# KiCad board current3x3A_Artiq.kicad_pcb
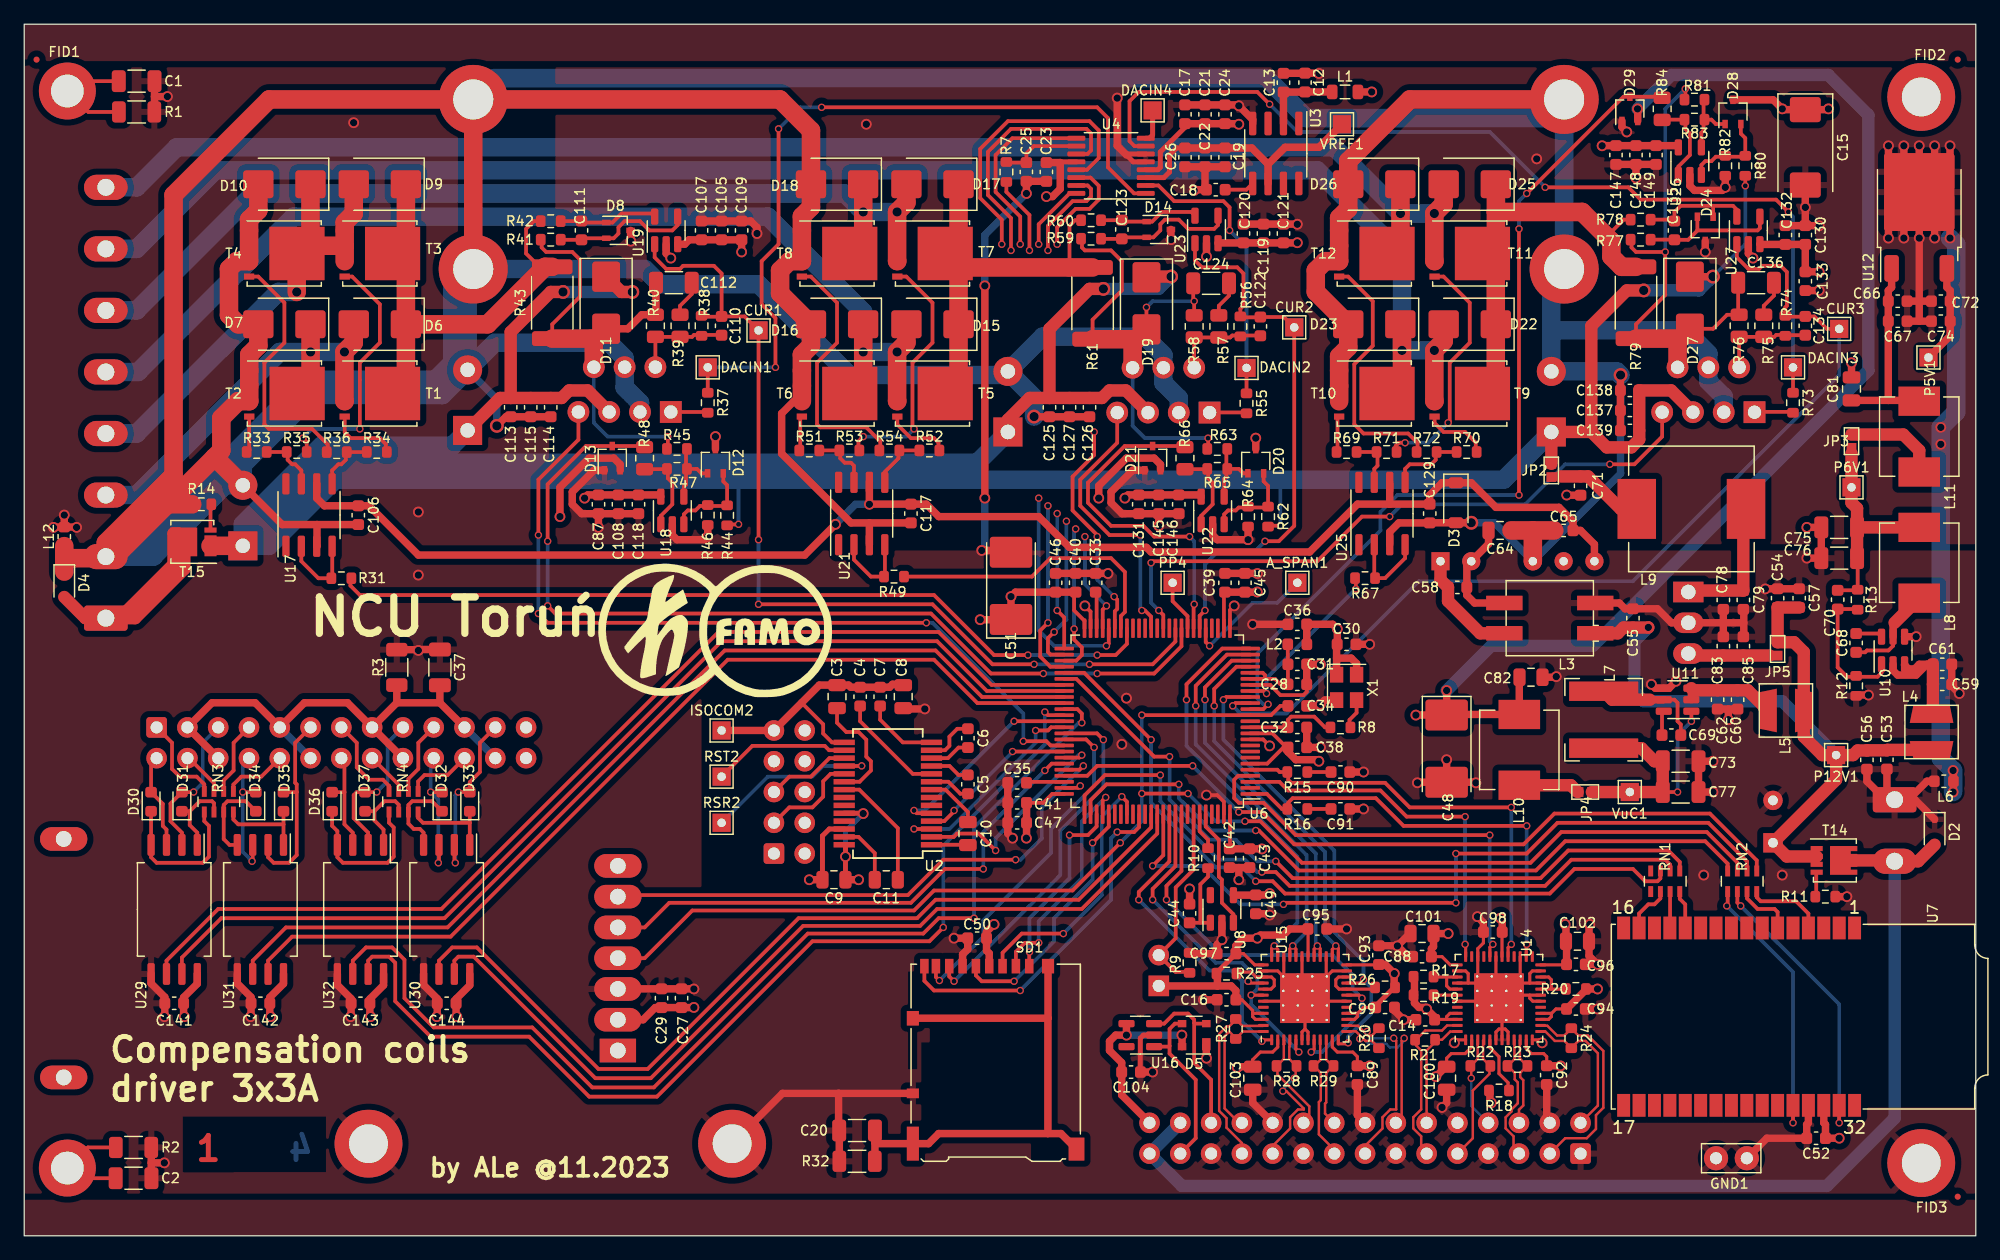
[diagram p0: board, top side]
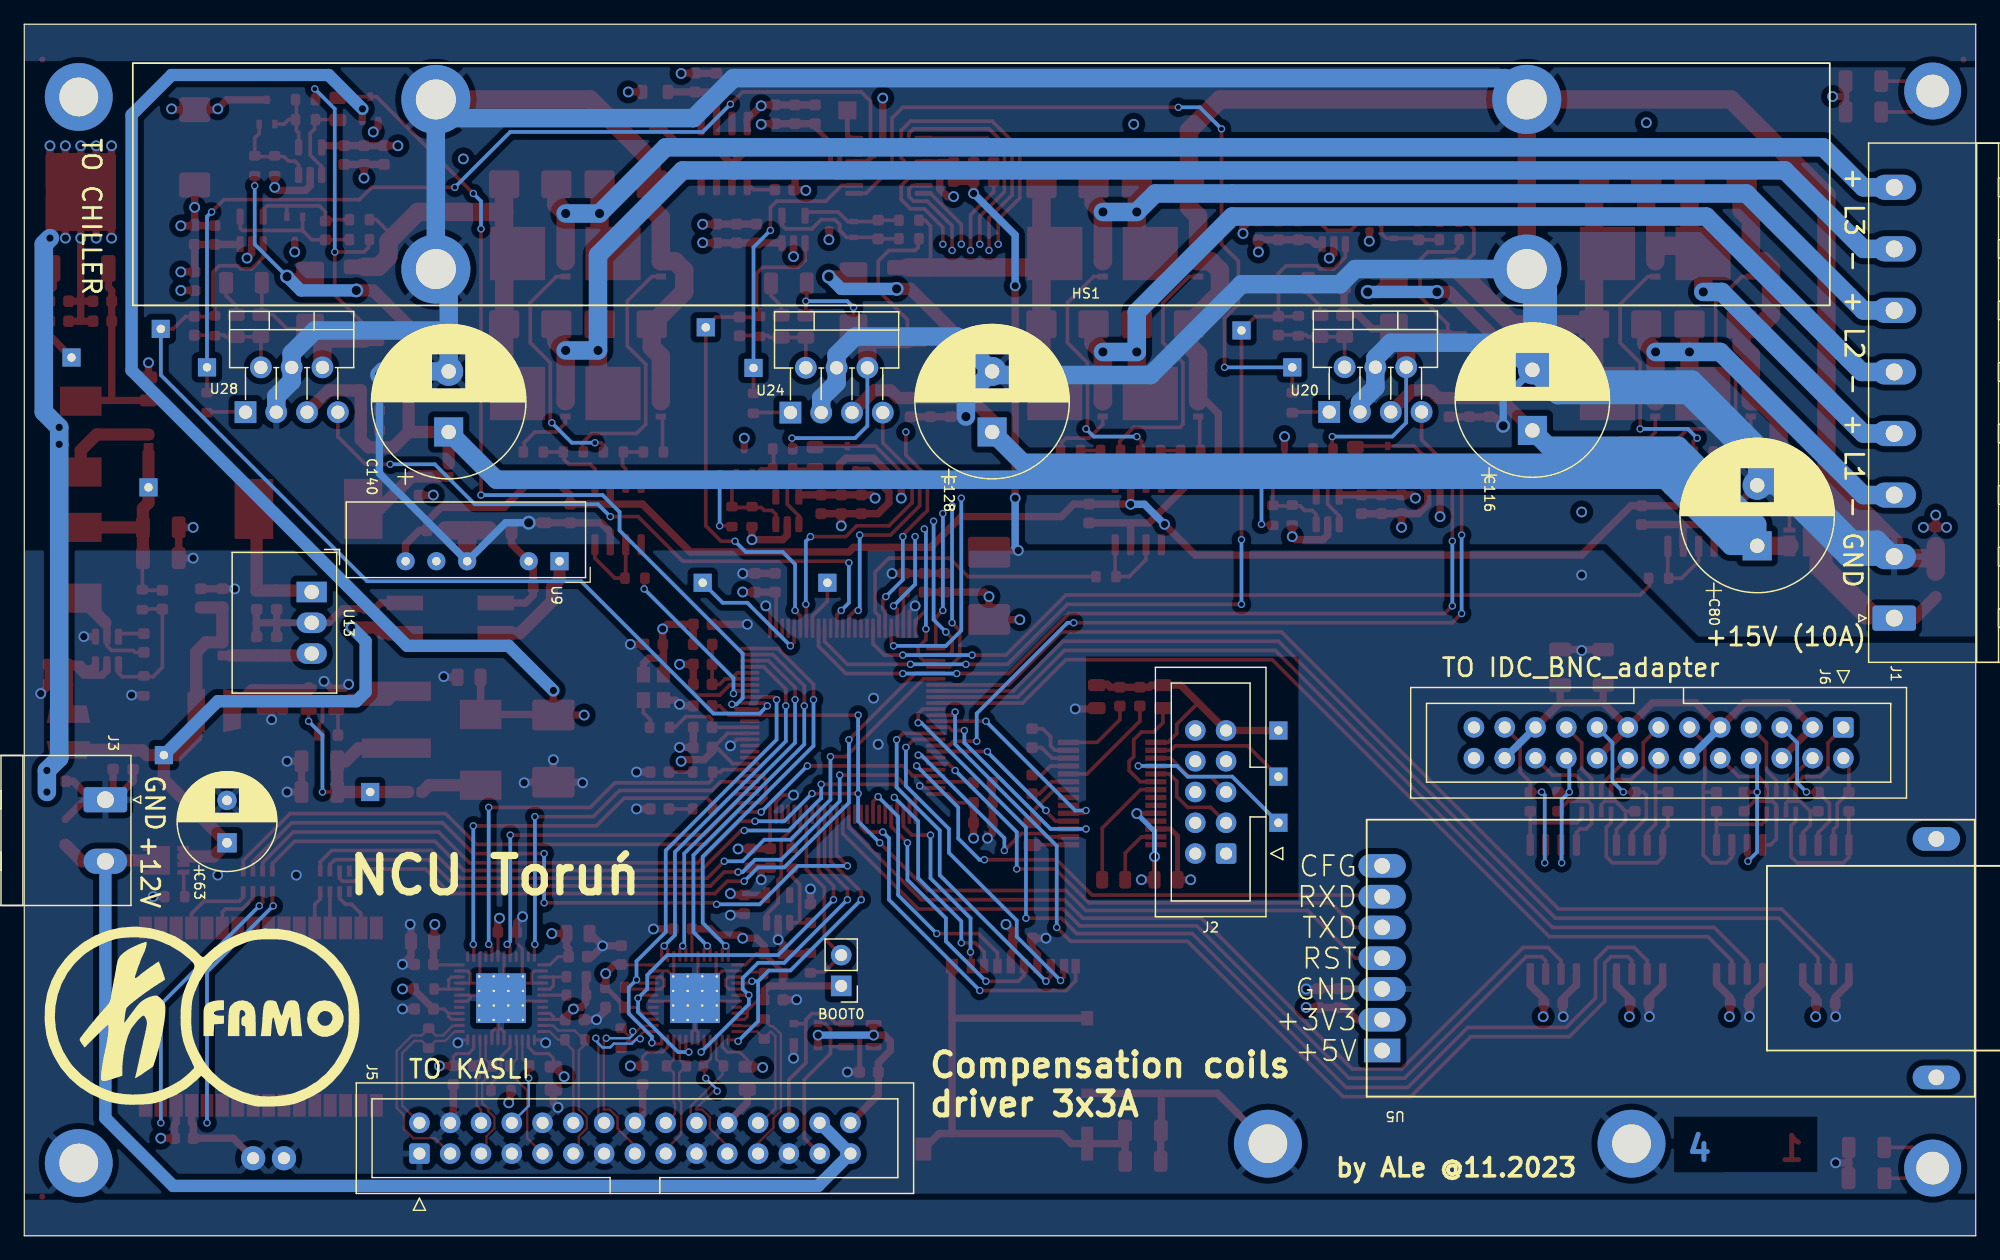
[diagram p1: board, bottom side, seen from below]

Outline 161 x 100 mm; copper layers: Top, In1.Cu, In2.Cu, Bottom. Coordinates in mm from the lower left corner of the outline.
Outline path: 0,100 0,0 161,0 161,100 0,100
Stack: Top 0.035mm / dielectric 0.2mm FR4 er 4.6 / In1.Cu 0.0175mm / dielectric 1.065mm FR4 er 4.4 / In2.Cu 0.0175mm / dielectric 0.2mm FR4 er 4.6 / Bottom 0.035mm

## Placement (name value [footprint] x y rotation side)
A_SPAN1  PAD  [TestPoint_THTPad_1.5x1.5mm_Drill0.7mm]  105.03 53.9 0 top
BOOT0  DNP  [PinHeader_1x02_P2.54mm_Vertical]  93.6 20.62 0 bottom
C1  GCJ31BR73A102KXJ1L  [C_1206_3216Metric]  9.27 95.3 0 top
C2  GCJ31BR73A102KXJ1L  [C_1206_3216Metric]  9.02 4.75 0 top
C3  2,2u 25V X7R  [C_0805_2012Metric]  67.06 44.5 90 top
C4  470n 25V X7R  [C_0603_1608Metric]  68.96 44.5 90 top
C5  100n 50V X7R  [C_0603_1608Metric]  77.85 37.26 90 top
C6  470n 25V X7R  [C_0603_1608Metric]  77.85 41.07 90 top
C7  470n 25V X7R  [C_0603_1608Metric]  70.61 44.5 90 top
C8  10n 100V X7R  [C_0805_2012Metric]  72.52 44.5 270 top
C9  2,2u 25V X7R  [C_0805_2012Metric]  66.8 29.39 180 top
C10  470n 100V X7R  [C_0805_2012Metric]  77.85 33.2 270 top
C11  470n 100V X7R  [C_0805_2012Metric]  71.12 29.39 0 top
C12  10u 25V X5R  [C_0603_1608Metric]  105.66 95.19 90 top
C13  GCM188R71E105KA64J  [C_0603_1608Metric]  103.89 95.17 90 top
C14  100n 50V X7R  [C_0603_1608Metric]  115.58 17.83 180 top
C15  100u 16V  [CP_EIA-7343-31_Kemet-D]  146.94 89.84 270 top
C16  100n 50V X7R  [C_0603_1608Metric]  99.19 19.48 180 top
C17  100p 50V C0G  [C_0603_1608Metric]  95.76 92.57 90 top
C18  1n 50V C0G  [C_0603_1608Metric]  98.3 86.34 0 top
C19  GCM188R71E105KA64J  [C_0603_1608Metric]  99.06 89.01 270 top
C20  GCJ31BR73A102KXJ1L  [C_1206_3216Metric]  68.71 8.69 0 top
C21  100n 50V X7R  [C_0603_1608Metric]  97.41 92.57 90 top
C22  100n 50V X7R  [C_0603_1608Metric]  97.41 89.01 270 top
C23  100n 50V X7R  [C_0603_1608Metric]  84.33 87.81 270 top
C24  10u 25V X5R  [C_0603_1608Metric]  99.06 92.57 90 top
C25  15p 50V C0G  [C_0603_1608Metric]  82.68 87.81 270 top
C26  100p 50V C0G  [C_0603_1608Metric]  95.76 89.01 270 top
C27  4u7 10V X5R  [C_0603_1608Metric]  54.23 19.61 90 top
C28  100n 50V X7R  [C_0603_1608Metric]  105.03 45.52 180 top
C29  100n 50V X7R  [C_0603_1608Metric]  52.58 19.61 90 top
C30  100n 50V X7R  [C_0603_1608Metric]  109.09 48.82 0 top
C31  GCM188R71E105KA64J  [C_0603_1608Metric]  105.03 47.17 0 top
C32  15p 50V C0G  [C_0603_1608Metric]  105.03 41.96 0 top
C33  2u2 10V X7R  [C_0603_1608Metric]  88.39 53.9 270 top
C34  100n 50V X7R  [C_0603_1608Metric]  105.03 43.74 180 top
C35  2u2 10V X7R  [C_0603_1608Metric]  81.92 37.39 0 top
C36  10u 25V X5R  [C_0603_1608Metric]  105.03 50.47 180 top
C37  GCJ31BR73A102KXJ1L  [C_1206_3216Metric]  34.29 46.91 90 top
C38  100n 50V X7R  [C_0603_1608Metric]  105.03 40.31 0 top
C39  100n 50V X7R  [C_0603_1608Metric]  99.06 53.9 90 top
C40  100n 50V X7R  [C_0603_1608Metric]  86.74 53.9 90 top
C41  100n 50V X7R  [C_0603_1608Metric]  81.92 35.74 180 top
C42  100n 50V X7R  [C_0603_1608Metric]  99.44 31.17 270 top
C43  4u7 10V X5R  [C_0603_1608Metric]  101.09 31.17 270 top
C44  15p 50V C0G  [C_0603_1608Metric]  96.14 26.61 90 top
C45  GCM188R71E105KA64J  [C_0603_1608Metric]  100.71 53.9 90 top
C46  GCM188R71E105KA64J  [C_0603_1608Metric]  85.09 53.9 90 top
C47  4u7 10V X5R  [C_0603_1608Metric]  81.92 34.09 180 top
C48  293D107X9010C2TE3  [CP_EIA-7132-28_AVX-C]  117.35 40.21 270 top
C49  100n 50V X7R  [C_0603_1608Metric]  101.6 27.36 270 top
C50  100n 50V X7R  [C_0603_1608Metric]  78.61 24.56 180 top
C51  293D107X9010C2TE3  [CP_EIA-7132-28_AVX-C]  81.41 53.65 90 top
C52  100n 50V X7R  [C_0603_1608Metric]  147.83 8.05 180 top
C53  10u 25V X5R  [C_0603_1608Metric]  153.67 39.29 270 top
C54  10u 25V X5R  [C_0603_1608Metric]  144.65 52.63 90 top
C55  10u 25V X5R  [C_0603_1608Metric]  132.72 50.98 90 top
C56  10u 25V X5R  [C_0603_1608Metric]  152.02 39.28 270 top
C57  10u 25V X5R  [C_0603_1608Metric]  146.43 52.63 90 top
C58  10u 25V X5R  [C_0603_1608Metric]  118.24 53.52 0 top
C59  10u 25V X5R  [C_0603_1608Metric]  158.24 45.52 0 top
C60  10u 25V X5R  [C_0603_1608Metric]  141.35 44.25 270 top
C61  100n 50V X7R  [C_0603_1608Metric]  158.24 47.17 0 top
C62  100n 50V X7R  [C_0603_1608Metric]  139.7 44.25 270 top
C63  100u 25V  [CP_Radial_D8.0mm_P3.50mm]  144.27 32.44 90 bottom
C64  1n 100V C0G  [C_0805_2012Metric]  121.76 58.22 180 top
C65  10u 25V X5R  [C_0603_1608Metric]  127 58.22 180 top
C66  10u 25V X5R  [C_0603_1608Metric]  154.56 75.49 0 top
C67  100n 50V X7R  [C_0603_1608Metric]  154.56 77.14 180 top
C68  100n 50V X7R  [C_0603_1608Metric]  151.13 48.93 90 top
C69  100n 50V X7R  [C_0603_1608Metric]  135.89 41.33 180 top
C70  100p 50V C0G  [C_0603_1608Metric]  149.61 52.5 270 top
C71  10u 25V X5R  [C_0603_1608Metric]  128.4 61.9 270 top
C72  100n 50V X7R  [C_0603_1608Metric]  158.12 77.14 0 top
C73  GRM31CR71A226KE15L  [C_1206_3216Metric]  136.65 39.17 0 top
C74  10u 25V X5R  [C_0603_1608Metric]  158.12 75.49 180 top
C75  GRM31CR71A226KE15L  [C_1206_3216Metric]  149.73 58.47 180 top
C76  GRM31CR71A226KE15L  [C_1206_3216Metric]  149.73 55.93 180 top
C77  GRM31CR71A226KE15L  [C_1206_3216Metric]  136.65 36.63 0 top
C78  10u 25V X5R  [C_0603_1608Metric]  140.18 52.48 270 top
C79  100n 50V X7R  [C_0603_1608Metric]  141.83 52.48 270 top
C80  2200u 25V  [CP_Radial_D12.5mm_P5.00mm]  18.03 56.95 90 bottom
C81  GRM21BR71A106KA73L  [C_0805_2012Metric]  150.75 69.9 90 top
C82  GRM21BR71A106KA73L  [C_0805_2012Metric]  124.31 46.1 0 top
C83  100n 50V X7R  [C_0603_1608Metric]  140.18 48.67 90 top
C85  10u 25V X5R  [C_0603_1608Metric]  141.83 48.67 90 top
C87  GCM188R71E105KA64J  [C_0603_1608Metric]  47.37 60.38 270 top
C88  100n 50V X7R  [C_0603_1608Metric]  115.32 23.04 180 top
C89  100n 50V X7R  [C_0603_1608Metric]  109.98 13.26 270 top
C90  82p 50V C0G  [C_0603_1608Metric]  108.58 38.28 0 top
C91  82p 50V C0G  [C_0603_1608Metric]  108.58 35.23 0 top
C92  100n 50V X7R  [C_0603_1608Metric]  125.6 13.26 270 top
C93  100n 50V X7R  [C_0603_1608Metric]  111.76 23.17 90 top
C94  100n 50V X7R  [C_0603_1608Metric]  128.02 18.72 0 top
C95  100n 50V X7R  [C_0603_1608Metric]  106.68 25.32 0 top
C96  100n 50V X7R  [C_0603_1608Metric]  128.02 22.4 0 top
C97  100n 50V X7R  [C_0603_1608Metric]  99.19 23.29 180 top
C98  100n 50V X7R  [C_0603_1608Metric]  121.16 25.07 180 top
C99  100n 50V X7R  [C_0603_1608Metric]  112.27 18.85 0 top
C100  GRM21BR71A106KA73L  [C_0805_2012Metric]  117.35 13 270 top
C101  GRM21BR71A106KA73L  [C_0805_2012Metric]  115.32 24.94 180 top
C102  GRM21BR71A106KA73L  [C_0805_2012Metric]  128.14 24.31 0 top
C103  GRM21BR71A106KA73L  [C_0805_2012Metric]  101.35 13 270 top
C104  100n 50V X7R  [C_0603_1608Metric]  91.31 13.51 0 top
C105  100n 50V X7R  [C_0603_1608Metric]  57.53 82.98 90 top
C106  100n 50V X7R  [C_0603_1608Metric]  27.56 59.48 270 top
C107  100p 50V C0G  [C_0603_1608Metric]  55.88 82.98 90 top
C108  100n 50V X7R  [C_0603_1608Metric]  49.02 60.38 90 top
C109  10u 25V X5R  [C_0603_1608Metric]  59.18 82.98 90 top
C110  DNP  [C_0603_1608Metric]  57.53 75.11 90 top
C111  1n 50V C0G  [C_0603_1608Metric]  45.97 82.98 270 top
C112  100n 50V C0G  [C_1206_3216Metric]  53.59 78.66 0 top
C113  10u 25V X5R  [C_0603_1608Metric]  40.13 68.38 270 top
C114  100n 50V X7R  [C_0603_1608Metric]  43.43 68.38 270 top
C115  10u 25V X5R  [C_0603_1608Metric]  41.78 68.38 270 top
C116  2200u 25V  [CP_Radial_D12.5mm_P5.00mm]  36.58 66.47 90 bottom
C117  100n 50V X7R  [C_0603_1608Metric]  73.15 59.61 270 top
C118  100p 50V C0G  [C_0603_1608Metric]  50.67 60.38 270 top
C119  100n 50V X7R  [C_0603_1608Metric]  102.23 82.73 90 top
C120  100p 50V C0G  [C_0603_1608Metric]  100.58 82.73 90 top
C121  10u 25V X5R  [C_0603_1608Metric]  103.89 82.73 90 top
C122  DNP  [C_0603_1608Metric]  101.98 75.06 90 top
C123  1n 50V C0G  [C_0603_1608Metric]  90.55 83.06 270 top
C124  100n 50V C0G  [C_1206_3216Metric]  97.92 78.61 0 top
C125  10u 25V X5R  [C_0603_1608Metric]  84.58 68.38 270 top
C126  100n 50V X7R  [C_0603_1608Metric]  87.88 68.38 270 top
C127  10u 25V X5R  [C_0603_1608Metric]  86.23 68.38 270 top
C128  2200u 25V  [CP_Radial_D12.5mm_P5.00mm]  81.15 66.34 90 bottom
C129  100n 50V X7R  [C_0603_1608Metric]  115.95 59.61 270 top
C130  100n 50V X7R  [C_0603_1608Metric]  146.94 82.6 90 top
C131  GCM188R71E105KA64J  [C_0603_1608Metric]  91.95 60.38 270 top
C132  100p 50V C0G  [C_0603_1608Metric]  145.29 82.6 90 top
C133  10u 25V X5R  [C_0603_1608Metric]  146.94 78.79 270 top
C134  DNP  [C_0603_1608Metric]  146.94 75.11 90 top
C135  1n 50V C0G  [C_0603_1608Metric]  136.14 82.98 270 top
C136  100n 50V C0G  [C_1206_3216Metric]  142.88 78.66 0 top
C137  10u 25V X5R  [C_0603_1608Metric]  132.46 68.12 180 top
C138  100n 50V X7R  [C_0603_1608Metric]  132.46 69.77 180 top
C139  10u 25V X5R  [C_0603_1608Metric]  132.46 66.47 180 top
C140  2200u 25V  [CP_Radial_D12.5mm_P5.00mm]  125.98 66.34 90 bottom
C141  100n 50V X7R  [C_0603_1608Metric]  12.37 19.19 180 top
C142  100n 50V X7R  [C_0603_1608Metric]  19.48 19.19 180 top
C143  100n 50V X7R  [C_0603_1608Metric]  27.74 19.19 180 top
C144  100n 50V X7R  [C_0603_1608Metric]  34.85 19.19 180 top
C145  100n 50V X7R  [C_0603_1608Metric]  93.6 60.38 90 top
C146  100p 50V C0G  [C_0603_1608Metric]  95.25 60.38 270 top
C147  GCM188R71E105KA64J  [C_0603_1608Metric]  131.32 89.2 270 top
C148  100n 50V X7R  [C_0603_1608Metric]  132.97 89.2 90 top
C149  100p 50V C0G  [C_0603_1608Metric]  134.62 89.2 270 top
CUR1  TestPoint  [TestPoint_THTPad_1.5x1.5mm_Drill0.7mm]  60.58 74.73 0 top
CUR2  TestPoint  [TestPoint_THTPad_1.5x1.5mm_Drill0.7mm]  104.78 74.98 0 top
CUR3  TestPoint  [TestPoint_THTPad_1.5x1.5mm_Drill0.7mm]  149.73 74.85 0 top
D2  SD12C-01FTG  [D_SOD-323]  157.61 33.33 270 top
D3  BZT52C20  [D_SOD-123]  118.11 60.5 270 top
D4  SD15C-01FTG  [D_SOD-323]  3.3 53.77 270 top
D5  WE 8240136  [SOT-143]  96.52 16.56 180 top
D6  SL54-3G  [D_SMB]  29.34 75.23 180 top
D7  SL54-3G  [D_SMB]  21.46 75.23 180 top
D8  BZB784-C15,115  [SOT-323_SC-70]  49.02 82.98 0 top
D9  SL54-3G  [D_SMB]  29.34 86.79 180 top
D10  SL54-3G  [D_SMB]  21.46 86.79 180 top
D11  SL54-3G  [D_SMB]  48.01 77.01 270 top
D12  BAT54CW  [SOT-323_SC-70]  57.02 63.93 90 top
D13  BAT54SW  [SOT-323_SC-70]  48.51 64.19 90 top
D14  BZB784-C15,115  [SOT-323_SC-70]  93.6 83.06 0 top
D15  SL54-3G  [D_SMB]  74.93 75.23 180 top
D16  SL54-3G  [D_SMB]  67.06 75.23 180 top
D17  SL54-3G  [D_SMB]  74.93 86.79 180 top
D18  SL54-3G  [D_SMB]  67.06 86.79 180 top
D19  SL54-3G  [D_SMB]  92.58 76.96 270 top
D20  BAT54CW  [SOT-323_SC-70]  101.6 63.93 90 top
D21  BAT54SW  [SOT-323_SC-70]  93.09 64.19 90 top
D22  SL54-3G  [D_SMB]  119.25 75.23 180 top
D23  SL54-3G  [D_SMB]  111.38 75.23 180 top
D24  BZB784-C15,115  [SOT-323_SC-70]  138.68 83.11 270 top
D25  SL54-3G  [D_SMB]  119.25 86.79 180 top
D26  SL54-3G  [D_SMB]  111.38 86.79 180 top
D27  SL54-3G  [D_SMB]  137.41 77.01 270 top
D28  BAT54CW  [SOT-323_SC-70]  140.97 92.76 90 top
D29  BAT54SW  [SOT-323_SC-70]  132.46 93.02 90 top
D30  TS4148C RZG  [D_0603_1608Metric]  10.47 35.83 90 top
D31  TS4148C RZG  [D_0603_1608Metric]  13.01 35.83 90 top
D32  TS4148C RZG  [D_0603_1608Metric]  34.47 35.83 90 top
D33  TS4148C RZG  [D_0603_1608Metric]  36.76 35.83 90 top
D34  TS4148C RZG  [D_0603_1608Metric]  19.1 35.83 90 top
D35  TS4148C RZG  [D_0603_1608Metric]  21.39 35.83 90 top
D36  TS4148C RZG  [D_0603_1608Metric]  25.4 35.83 90 top
D37  TS4148C RZG  [D_0603_1608Metric]  28.12 35.83 90 top
DACIN1  TestPoint  [TestPoint_THTPad_1.5x1.5mm_Drill0.7mm]  56.39 71.68 0 top
DACIN2  TestPoint  [TestPoint_THTPad_1.5x1.5mm_Drill0.7mm]  100.84 71.63 0 top
DACIN3  TestPoint  [TestPoint_THTPad_1.5x1.5mm_Drill0.7mm]  145.92 71.68 0 top
DACIN4  TestPoint  [TestPoint_Pad_1.5x1.5mm]  93.09 92.89 180 top
FID1  Fiducial  [Fiducial_0.5mm_Mask1.5mm]  1.02 97.08 0 top
FID2  Fiducial  [Fiducial_0.5mm_Mask1.5mm]  159.51 97.08 0 top
FID3  Fiducial  [Fiducial_0.5mm_Mask1.5mm]  159.51 3.23 0 top
G1  KL_FAMO_LOGO  [kl_famo_logo_small]  57.02 49.96 0 top
G2  KL_FAMO_LOGO  [kl_famo_logo]  146.3 18.08 180 bottom
GND1  PAD  [TestPoint_Bridge_Pitch2.54mm_Drill1.0mm]  139.57 6.4 0 top
H1  MountingHole_Pad  [MountingHole_2.7mm_M2.5_DIN965_Pad]  3.56 94.49 0 top
H2  MountingHole_Pad  [MountingHole_2.7mm_M2.5_DIN965_Pad]  3.56 5.59 0 top
H4  MountingHole_Pad  [MountingHole_3.2mm_M3_DIN965_Pad]  28.4 7.6 0 top
H6  MountingHole_Pad  [MountingHole_3.2mm_M3_DIN965_Pad]  58.4 7.6 0 top
H7  MountingHole_Pad  [MountingHole_3.2mm_M3_DIN965_Pad]  156.5 94 0 top
H8  MountingHole_Pad  [MountingHole_3.2mm_M3_DIN965_Pad]  156.5 6 0 top
HS1  Chłodnica miedziana by Janusz  [Heatsink_cooler_20x140x40mm]  82.04 86.79 0 bottom
ISOCOM2  TestPoint  [TestPoint_THTPad_1.5x1.5mm_Drill0.7mm]  57.53 41.71 0 top
J1  MSTBA2.5/8-G-5.08 1757307  [PhoenixContact_MSTBA_2,5_8-G-5,08_1x08_P5.08mm_Horizontal]  6.73 50.98 90 bottom
J2  N2510-6002-RB  [IDC-Header_2x05_P2.54mm_Vertical]  61.85 31.55 0 bottom
J3  MSTBA2.5/2-G-5.08 1757242  [PhoenixContact_MSTBA_2,5_2-G-5,08_1x02_P5.08mm_Horizontal]  154.31 35.99 270 bottom
J5  N2530-6002-RB  [IDC-Header_2x15_P2.54mm_Vertical]  128.4 6.78 90 bottom
J6  N2526-6002RB  [IDC-Header_2x13_P2.54mm_Vertical]  10.92 41.96 270 bottom
JP2  Jumper_NO_Small  [GS2_small]  125.98 63.17 180 top
JP3  Jumper_NO_Small  [GS2_small]  150.75 65.58 0 top
JP4  Jumper_NO_Small  [GS2_small]  128.78 36.63 90 top
JP5  Jumper_NO_Small  [GS2_small]  144.65 48.44 0 top
L1  33uH 200mA  [L_0805_2012Metric]  108.97 94.41 180 top
L2  LQM18DN330M70L  [L_0603_1608Metric]  105.03 48.82 0 top
L3  50225C Murata  [L_CommonMode_Murata_5000]  125.86 50.98 180 top
L4  LQH44PH220MPRL  [L_MURATA_LQH44]  157.35 41.58 180 top
L5  LQH44PH220MPRL  [L_MURATA_LQH44]  145.34 43.36 270 top
L6  BLM18KG331SN1D  [L_0603_1608Metric]  158.37 37.52 0 top
L7  SRN6045-3R3Y  [L_Bourns-SRN6028]  130.3 42.6 90 top
L8  IHLP2525CZER100M01  [L_Vishay_IHLP-2525]  156.34 55.55 270 top
L9  IHLP4040DZER100M11  [L_Vishay_IHLP-4040]  137.54 59.99 180 top
L10  IHLP2525CZER220M11  [L_Vishay_IHLP-2525]  123.34 40.11 270 top
L11  IHLP2525CZER220M11  [L_Vishay_IHLP-2525]  156.34 65.96 270 top
L12  BLM18KG331SN1D  [L_0603_1608Metric]  3.3 57.71 270 top
P5V1  TestPoint  [TestPoint_THTPad_1.5x1.5mm_Drill0.7mm]  157.1 72.49 270 top
P6V1  TestPoint  [TestPoint_THTPad_1.5x1.5mm_Drill0.7mm]  150.75 61.77 0 top
P12V1  TestPoint  [TestPoint_THTPad_1.5x1.5mm_Drill0.7mm]  149.48 39.67 0 top
PP4  PAD  [TestPoint_THTPad_1.5x1.5mm_Drill0.7mm]  94.74 53.9 0 top
R1  HV732BTTD1004F  [R_1206_3216Metric]  9.27 92.76 0 top
R2  HV732BTTD1004F  [R_1206_3216Metric]  9.02 7.29 0 top
R3  HV732BTTD1004F  [R_1206_3216Metric]  30.73 46.91 90 top
R7  100R 1%  [R_0603_1608Metric]  81.03 87.81 90 top
R8  100R 1%  [R_0603_1608Metric]  108.58 41.96 180 top
R9  1k 1%  [R_0603_1608Metric]  96.14 22.53 270 top
R10  100R 1%  [R_0603_1608Metric]  97.66 31.17 270 top
R11  10k 1%  [R_0603_1608Metric]  148.59 27.99 0 top
R12  30k 1%  [R_0603_1608Metric]  151.13 45.39 270 top
R13  196k 1%  [R_0603_1608Metric]  151.26 52.5 270 top
R14  10k 1%  [R_0603_1608Metric]  14.61 60.38 180 top
R15  220R 1%  [R_0603_1608Metric]  105.03 38.28 0 top
R16  220R 1%  [R_0603_1608Metric]  105.03 35.23 0 top
R17  100R 1%  [R_0603_1608Metric]  115.44 21.39 180 top
R18  100R 1%  [R_0603_1608Metric]  121.67 11.99 180 top
R19  100R 1%  [R_0603_1608Metric]  115.44 19.86 180 top
R20  100R 1%  [R_0603_1608Metric]  128.02 20.37 0 top
R21  100R 1%  [R_0603_1608Metric]  115.57 16.18 180 top
R22  100R 1%  [R_0603_1608Metric]  120.13 14.02 180 top
R23  100R 1%  [R_0603_1608Metric]  123.19 14.02 180 top
R24  100R 1%  [R_0603_1608Metric]  127.64 16.31 270 top
R25  100R 1%  [R_0603_1608Metric]  99.19 21.64 180 top
R26  100R 1%  [R_0603_1608Metric]  112.27 20.5 0 top
R27  100R 1%  [R_0603_1608Metric]  99.95 17.07 90 top
R28  100R 1%  [R_0603_1608Metric]  104.14 14.02 180 top
R29  100R 1%  [R_0603_1608Metric]  107.19 14.02 180 top
R30  100R 1%  [R_0603_1608Metric]  111.76 16.31 270 top
R31  1k 1%  [R_0603_1608Metric]  26.16 54.27 0 top
R32  HV732BTTD1004F  [R_1206_3216Metric]  68.71 6.15 0 top
R33  1k 1%  [R_0603_1608Metric]  19.18 64.69 0 top
R34  1k 1%  [R_0603_1608Metric]  29.08 64.69 180 top
R35  1k 1%  [R_0603_1608Metric]  22.48 64.69 180 top
R36  1k 1%  [R_0603_1608Metric]  25.78 64.68 0 top
R37  10k 1%  [R_0603_1608Metric]  56.39 68.76 270 top
R38  10k 1%  [R_0603_1608Metric]  55.88 75.11 90 top
R39  47R  [R_0805_2012Metric]  54.1 75.11 270 top
R40  DNP  [R_0805_2012Metric]  52.07 75.11 270 top
R41  10R 1%  [R_0603_1608Metric]  43.43 82.22 180 top
R42  10R 1%  [R_0603_1608Metric]  43.43 83.74 180 top
R43  0R02 0,5% 1W 50ppm  [R_2512_6332Metric]  43.56 77.01 90 top
R44  24,9k 1%  [R_0603_1608Metric]  57.99 59.46 270 top
R45  24,9k 1%  [R_0603_1608Metric]  53.85 64.95 180 top
R46  10k 1%  [R_0603_1608Metric]  56.39 59.49 90 top
R47  10k 1%  [R_0603_1608Metric]  53.85 63.3 0 top
R48  100R  [R_0805_2012Metric]  51.18 64.19 90 top
R49  1k 1%  [R_0603_1608Metric]  71.75 54.41 0 top
R51  1k 1%  [R_0603_1608Metric]  64.77 64.82 0 top
R52  1k 1%  [R_0603_1608Metric]  74.68 64.82 180 top
R53  1k 1%  [R_0603_1608Metric]  68.07 64.82 180 top
R54  1k 1%  [R_0603_1608Metric]  71.37 64.82 0 top
R55  10k 1%  [R_0603_1608Metric]  100.84 68.71 90 top
R56  10k 1%  [R_0603_1608Metric]  100.33 75.06 270 top
R57  47R  [R_0805_2012Metric]  98.55 75.06 270 top
R58  DNP  [R_0805_2012Metric]  96.52 75.06 270 top
R59  10R 1%  [R_0603_1608Metric]  88.01 82.3 180 top
R60  10R 1%  [R_0603_1608Metric]  88.01 83.82 180 top
R61  0R02 0,5% 1W 50ppm  [R_2512_6332Metric]  88.14 76.96 90 top
R62  24,9k 1%  [R_0603_1608Metric]  102.62 59.36 270 top
R63  24,9k 1%  [R_0603_1608Metric]  98.42 64.95 180 top
R64  10k 1%  [R_0603_1608Metric]  100.97 59.36 90 top
R65  10k 1%  [R_0603_1608Metric]  98.42 63.3 0 top
R66  100R  [R_0805_2012Metric]  95.76 64.19 90 top
R67  1k 1%  [R_0603_1608Metric]  110.62 54.28 180 top
R69  1k 1%  [R_0603_1608Metric]  109.09 64.69 0 top
R70  1k 1%  [R_0603_1608Metric]  119 64.69 180 top
R71  1k 1%  [R_0603_1608Metric]  112.39 64.69 180 top
R72  1k 1%  [R_0603_1608Metric]  115.7 64.69 0 top
R73  10k 1%  [R_0603_1608Metric]  145.92 68.76 90 top
R74  10k 1%  [R_0603_1608Metric]  145.29 75.11 270 top
R75  47R  [R_0805_2012Metric]  143.51 75.11 270 top
R76  DNP  [R_0805_2012Metric]  141.48 75.11 270 top
R77  10R 1%  [R_0603_1608Metric]  133.35 82.22 180 top
R78  10R 1%  [R_0603_1608Metric]  133.35 83.87 180 top
R79  0R02 0,5% 1W 50ppm  [R_2512_6332Metric]  132.97 77.01 90 top
R80  24,9k 1%  [R_0603_1608Metric]  141.99 88.32 270 top
R81  24,9k 1%  [R_0603_1608Metric]  137.79 93.78 180 top
R82  10k 1%  [R_0603_1608Metric]  140.34 88.32 90 top
R83  10k 1%  [R_0603_1608Metric]  137.79 92.13 0 top
R84  100R  [R_0805_2012Metric]  135.13 93.02 90 top
RN1  CAT16-220J4LF  [R_Array_Concave_4x0603]  135.38 29.26 90 top
RN2  CAT16-220J4LF  [R_Array_Concave_4x0603]  141.73 29.26 90 top
RN3  CAT16-102J4LF  [R_Array_Concave_4x0603]  16.05 35.83 270 top
RN4  CAT16-102J4LF  [R_Array_Concave_4x0603]  31.29 35.83 270 top
RSR2  TestPoint  [TestPoint_THTPad_1.5x1.5mm_Drill0.7mm]  57.53 34.09 0 top
RST2  TestPoint  [TestPoint_THTPad_1.5x1.5mm_Drill0.7mm]  57.53 37.9 0 top
SD1  DM3AT-SF-PEJM5  [microSD_HC_Hirose_DM3AT-SF-PEJM5]  80.14 14.53 0 top
T1  BSC028N06NSATMA1  [TDSON-8-1]  29.34 69.52 0 top
T2  BSC028N06NSATMA1  [TDSON-8-1]  21.46 69.52 0 top
T3  BSC028N06NSATMA1  [TDSON-8-1]  29.34 81.08 0 top
T4  BSC028N06NSATMA1  [TDSON-8-1]  21.45 81.08 0 top
T5  BSC028N06NSATMA1  [TDSON-8-1]  74.93 69.52 0 top
T6  BSC028N06NSATMA1  [TDSON-8-1]  67.06 69.52 0 top
T7  BSC028N06NSATMA1  [TDSON-8-1]  74.93 81.08 0 top
T8  BSC028N06NSATMA1  [TDSON-8-1]  67.06 81.08 0 top
T9  BSC028N06NSATMA1  [TDSON-8-1]  119.25 69.52 0 top
T10  BSC028N06NSATMA1  [TDSON-8-1]  111.38 69.52 0 top
T11  BSC028N06NSATMA1  [TDSON-8-1]  119.25 81.08 0 top
T12  BSC028N06NSATMA1  [TDSON-8-1]  111.38 81.08 0 top
T14  SISS27DN-T1-GE3  [Diodes_PowerDI3333-8]  149.38 30.98 0 top
T15  SISS27DN-T1-GE3  [Diodes_PowerDI3333-8]  13.87 57.27 180 top
U2  MAX3250CAI+  [SSOP-28_5.3x10.2mm_P0.65mm]  71.25 36.5 180 top
U3  ADR443BRZ  [SOIC-8_3.9x4.9mm_P1.27mm]  103.25 89.33 270 top
U4  DAC8555IPW  [TSSOP-16_4.4x5mm_P0.65mm]  89.66 88.32 180 top
U5  USR-TCP232-T2  [USR-TC232-T2]  48.97 15.29 180 bottom